# Altium PCB pokey.PcbDoc (part 1 of 4) (continued)
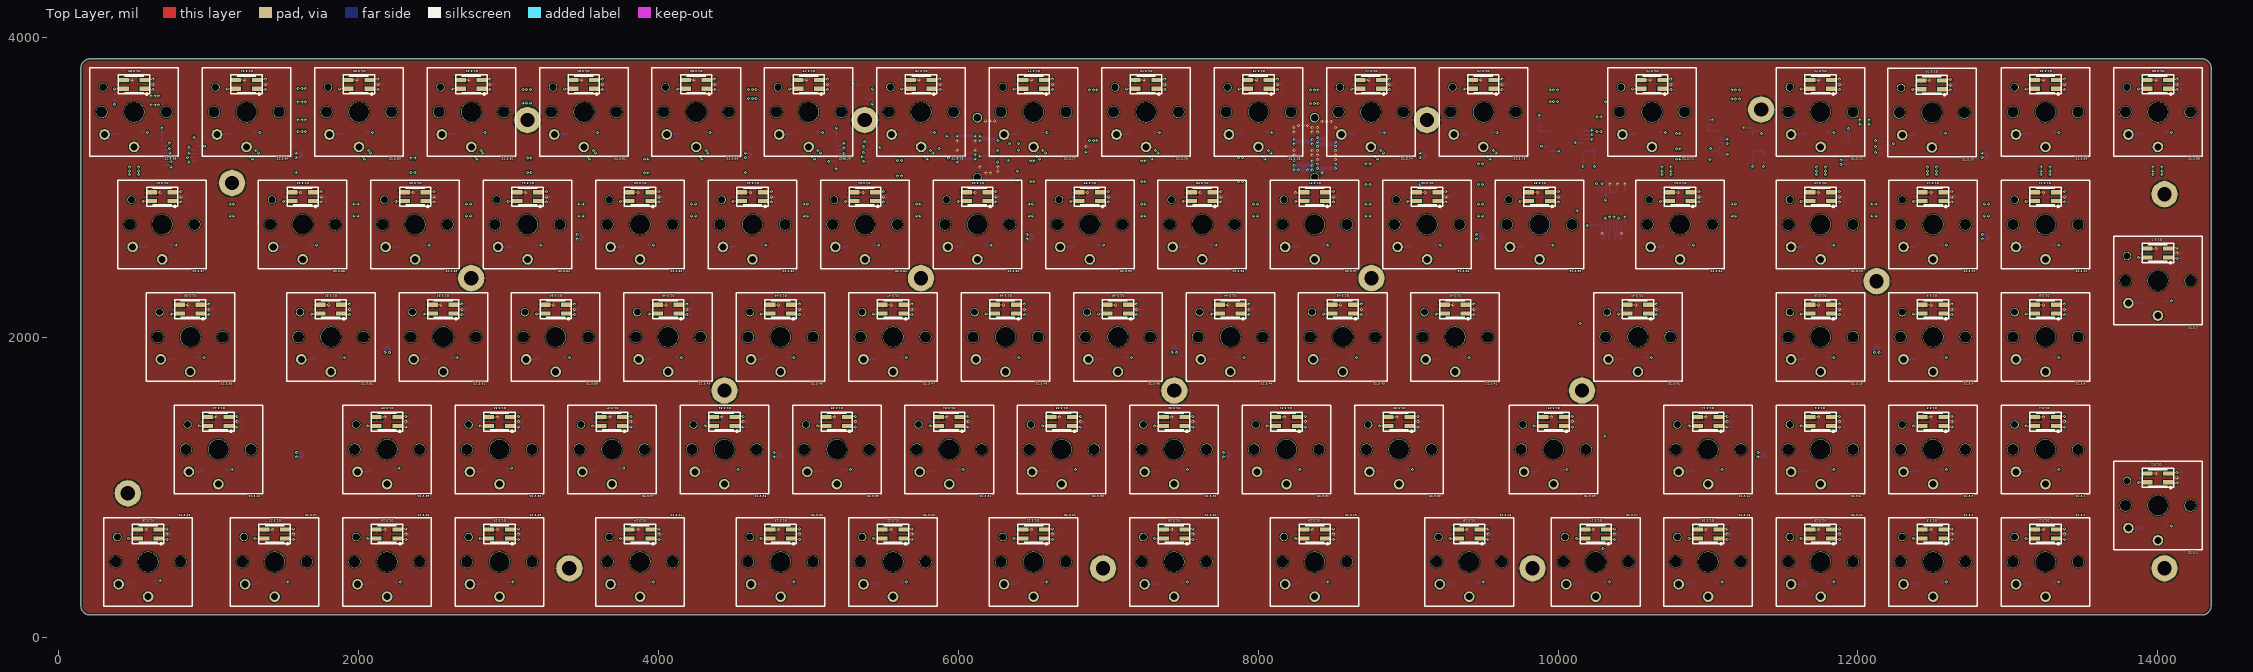
[diagram p0: Top Layer view]
## Design rules (kind name [scope] priority, off if disabled: settings) (continued)
RoomDefinition U115 [InComponentClass('U115')] p71: confinementstyle=ConfineIn formatcopy=FALSE lockcomponents=FALSE outline 11437.5,187.5 12062.5,187.5 12062.5,817.5 11437.5,817.5
RoomDefinition U114 [InComponentClass('U114')] p72: confinementstyle=ConfineIn formatcopy=TRUE lockcomponents=FALSE outline 10687.5,937.5 11312.5,937.5 11312.5,1567.5 10687.5,1567.5
RoomDefinition U113 [InComponentClass('U113')] p73: confinementstyle=ConfineIn formatcopy=TRUE lockcomponents=FALSE outline 11437.5,2437.5 12062.5,2437.5 12062.5,3067.5 11437.5,3067.5
RoomDefinition U112 [InComponentClass('U112')] p74: confinementstyle=ConfineIn formatcopy=TRUE lockcomponents=FALSE outline 12187.5,2437.5 12812.5,2437.5 12812.5,3067.5 12187.5,3067.5
RoomDefinition U111 [InComponentClass('U111')] p75: confinementstyle=ConfineIn formatcopy=TRUE lockcomponents=FALSE outline 12937.5,2437.5 13562.5,2437.5 13562.5,3067.5 12937.5,3067.5
RoomDefinition U110 [InComponentClass('U110')] p76: confinementstyle=ConfineIn formatcopy=FALSE lockcomponents=FALSE outline 11437.5,1687.5 12062.5,1687.5 12062.5,2317.5 11437.5,2317.5
RoomDefinition U19 [InComponentClass('U19')] p77: confinementstyle=ConfineIn formatcopy=FALSE lockcomponents=FALSE outline 12187.5,1687.5 12812.5,1687.5 12812.5,2317.5 12187.5,2317.5
RoomDefinition U18 [InComponentClass('U18')] p78: confinementstyle=ConfineIn formatcopy=FALSE lockcomponents=FALSE outline 12937.5,1687.5 13562.5,1687.5 13562.5,2317.5 12937.5,2317.5
RoomDefinition U17 [InComponentClass('U17')] p79: confinementstyle=ConfineIn formatcopy=FALSE lockcomponents=FALSE outline 13687.5,2062.5 14312.5,2062.5 14312.5,2692.5 13687.5,2692.5
RoomDefinition U16 [InComponentClass('U16')] p80: confinementstyle=ConfineIn formatcopy=TRUE lockcomponents=FALSE outline 11437.5,937.5 12062.5,937.5 12062.5,1567.5 11437.5,1567.5
RoomDefinition U15 [InComponentClass('U15')] p81: confinementstyle=ConfineIn formatcopy=TRUE lockcomponents=FALSE outline 12187.5,937.5 12812.5,937.5 12812.5,1567.5 12187.5,1567.5
RoomDefinition U14 [InComponentClass('U14')] p82: confinementstyle=ConfineIn formatcopy=TRUE lockcomponents=FALSE outline 12937.5,937.5 13562.5,937.5 13562.5,1567.5 12937.5,1567.5
RoomDefinition U13 [InComponentClass('U13')] p83: confinementstyle=ConfineIn formatcopy=FALSE lockcomponents=FALSE outline 12187.5,187.5 12812.5,187.5 12812.5,817.5 12187.5,817.5
RoomDefinition U12 [InComponentClass('U12')] p84: confinementstyle=ConfineIn formatcopy=FALSE lockcomponents=FALSE outline 12937.5,187.5 13562.5,187.5 13562.5,817.5 12937.5,817.5
RoomDefinition U11 [InComponentClass('U11')] p85: confinementstyle=ConfineIn formatcopy=FALSE lockcomponents=FALSE outline 13687.5,562.5 14312.5,562.5 14312.5,1192.5 13687.5,1192.5
RoutingCorners [All] p1: cornerstyle=45-Degree minsetback=10 maxsetback=200
RoutingVias [All] p1: holewidth=10 width=20 viastyle="Through Hole" minholewidth=8 minwidth=16 maxholewidth=28 maxwidth=50
SilkToSilkClearance [All] p1: silktosilkclearance=0
SilkToSolderMaskClearance SilkscreenOverComponentPads [IsPad] p1 off: minsilkscreentomaskgap=0 clearancetoexposedcopper=TRUE
SolderMaskExpansion [All] p1: expansion=4
Width [All] p1: maxlimit=150 minlimit=5 preferedwidth=10
16 further rules are at their usual default settings.

## Classes and differential pairs
net class "Not Power": COL_0 COL_1 COL_2 COL_3 COL_4 COL_5 COL_6 COL_7 COL_8 COL_9 COL_10 COL_11 COL_12 COL_13 COL_14 COL_15 COL_16 COL_17 COL_CLK COL_DIN COL_RST NetC4.2_2 NetC6.2_1 NetC7.2_2 NetC9.2_2 NetD1.3.1_2 NetD1.3.1_4 NetD1.3.2_4 NetD1.3.3_4 NetD1.3.4_2 NetD1.3.4_4 NetD1.3.5_2 NetD1.3.6_2 NetD1.3.7_4 NetD1.3.8_4 NetD1.3.9_4 NetD1.3.10_4 NetD1.3.11_2 NetD1.3.11_4 NetD1.3.12_2 NetD1.3.13_2 NetD1.3.14_2 NetD1.3.15_4 NetD1.3.16_4 NetD1.3.17_4 NetD1.3.18_4 NetD1.3.19_4 NetD1.3.20_4 NetD1.3.21_4 NetD1.3.22_4 NetD1.3.23_4 NetD1.3.24_4 NetD1.3.25_4 NetD1.3.26_4 NetD1.3.27_4 NetD1.3.28_4 NetD1.3.29_2 NetD1.3.30_2 NetD1.3.31_2 NetD1.3.32_2 NetD1.3.33_2 NetD1.3.34_2 NetD1.3.35_2 NetD1.3.36_2 NetD1.3.37_2 NetD1.3.38_2 NetD1.3.39_2 NetD1.3.41_4 NetD1.3.42_4 NetD1.3.43_4 NetD1.3.44_4 NetD1.3.45_4 NetD1.3.46_4 NetD1.3.47_4 NetD1.3.48_4 NetD1.3.49_4 NetD1.3.50_4 NetD1.3.51_4 NetD1.3.52_4 NetD1.3.53_4 NetD1.3.54_2 NetD1.3.55_2 NetD1.3.56_2 NetD1.3.57_2 NetD1.3.58_2 NetD1.3.59_2 NetD1.3.60_2 NetD1.3.61_2 NetD1.3.62_2 NetD1.3.63_2 NetD1.3.64_2 NetD1.3.65_2 NetD1.3.66_2 NetD1.3.68_4 NetD1.3.69_4 NetD1.3.70_4 NetD1.3.71_4 NetD1.3.72_4 NetD1.3.73_4 NetD1.3.74_4 NetD1.3.75_4 NetD1.3.76_4 NetD1.3.77_4 NetD1.3.78_4 NetD1.3.79_4 NetD1.3.80_4 NetD1.3.81_4 NetD1.3.82_4 NetD1.3.83_4 NetD1.3.84_4 NetD1.3.85_4 NetD2.3.1_A NetD2.3.2_A NetD2.3.3_A NetD2.3.4_A NetD2.3.5_A NetD2.3.6_A NetD2.3.7_A NetD2.3.8_A NetD2.3.9_A NetD2.3.10_A NetD2.3.11_A NetD2.3.12_A NetD2.3.13_A NetD2.3.14_A NetD2.3.15_A NetD2.3.16_A NetD2.3.17_A NetD2.3.18_A NetD2.3.19_A NetD2.3.20_A NetD2.3.21_A NetD2.3.22_A NetD2.3.23_A NetD2.3.24_A NetD2.3.25_A NetD2.3.26_A NetD2.3.27_A NetD2.3.28_A NetD2.3.29_A NetD2.3.30_A NetD2.3.31_A NetD2.3.32_A NetD2.3.33_A NetD2.3.34_A NetD2.3.35_A NetD2.3.36_A NetD2.3.37_A NetD2.3.38_A NetD2.3.39_A NetD2.3.40_A NetD2.3.41_A NetD2.3.42_A NetD2.3.43_A NetD2.3.44_A NetD2.3.45_A NetD2.3.46_A NetD2.3.47_A NetD2.3.48_A NetD2.3.49_A NetD2.3.50_A NetD2.3.51_A NetD2.3.52_A NetD2.3.53_A NetD2.3.54_A NetD2.3.55_A NetD2.3.56_A NetD2.3.57_A NetD2.3.58_A NetD2.3.59_A NetD2.3.60_A NetD2.3.61_A NetD2.3.62_A NetD2.3.63_A NetD2.3.64_A NetD2.3.65_A NetD2.3.66_A NetD2.3.67_A NetD2.3.68_A NetD2.3.69_A NetD2.3.70_A NetD2.3.71_A NetD2.3.72_A NetD2.3.73_A NetD2.3.74_A NetD2.3.75_A NetD2.3.76_A NetD2.3.77_A NetD2.3.78_A NetD2.3.79_A NetD2.3.80_A NetD2.3.81_A NetD2.3.82_A NetD2.3.83_A NetD2.3.84_A NetD2.3.85_A NetQ1.2_3 NetU1.1_24 NetU1.1_25 NetU1.1_28 NetU5.2_12 ROW_0 ROW_1 ROW_2 ROW_3 ROW_4
channel class key_reverse_led: U111 U112 U113
component class pokey: C1.1 C2.1 C3.1 C4.1 C5.1 C6.1 C7.1 C8.1 C9.1 C10.1 C11.1 C12.1 C13.1 C14.1 C15.1 U1.1
component class U185: C1.3.85 D1.3.85 D2.3.85 S1.3.85
component class U184: C1.3.84 D1.3.84 D2.3.84 S1.3.84
component class U183: C1.3.83 D1.3.83 D2.3.83 S1.3.83
component class U182: C1.3.82 D1.3.82 D2.3.82 S1.3.82
component class U181: C1.3.81 D1.3.81 D2.3.81 S1.3.81
component class U180: C1.3.80 D1.3.80 D2.3.80 S1.3.80
component class U179: C1.3.79 D1.3.79 D2.3.79 S1.3.79
component class U178: C1.3.78 D1.3.78 D2.3.78 S1.3.78
component class U177: C1.3.77 D1.3.77 D2.3.77 S1.3.77
component class U176: C1.3.76 D1.3.76 D2.3.76 S1.3.76
component class U175: C1.3.75 D1.3.75 D2.3.75 S1.3.75
component class U174: C1.3.74 D1.3.74 D2.3.74 S1.3.74
component class U173: C1.3.73 D1.3.73 D2.3.73 S1.3.73
component class U172: C1.3.72 D1.3.72 D2.3.72 S1.3.72
component class U171: C1.3.71 D1.3.71 D2.3.71 S1.3.71
component class U170: C1.3.70 D1.3.70 D2.3.70 S1.3.70
component class U169: C1.3.69 D1.3.69 D2.3.69 S1.3.69
component class U168: C1.3.68 D1.3.68 D2.3.68 S1.3.68
component class U167: C1.3.67 D1.3.67 D2.3.67 S1.3.67
component class U166: C1.3.66 D1.3.66 D2.3.66 S1.3.66
component class U165: C1.3.65 D1.3.65 D2.3.65 S1.3.65
component class U164: C1.3.64 D1.3.64 D2.3.64 S1.3.64
component class U163: C1.3.63 D1.3.63 D2.3.63 S1.3.63
component class U162: C1.3.62 D1.3.62 D2.3.62 S1.3.62
component class U161: C1.3.61 D1.3.61 D2.3.61 S1.3.61
component class U160: C1.3.60 D1.3.60 D2.3.60 S1.3.60
component class U159: C1.3.59 D1.3.59 D2.3.59 S1.3.59
component class U158: C1.3.58 D1.3.58 D2.3.58 S1.3.58
component class U157: C1.3.57 D1.3.57 D2.3.57 S1.3.57
component class U156: C1.3.56 D1.3.56 D2.3.56 S1.3.56
component class U155: C1.3.55 D1.3.55 D2.3.55 S1.3.55
component class U154: C1.3.54 D1.3.54 D2.3.54 S1.3.54
component class U153: C1.3.53 D1.3.53 D2.3.53 S1.3.53
component class U152: C1.3.52 D1.3.52 D2.3.52 S1.3.52
component class U151: C1.3.51 D1.3.51 D2.3.51 S1.3.51
component class U150: C1.3.50 D1.3.50 D2.3.50 S1.3.50
component class U149: C1.3.49 D1.3.49 D2.3.49 S1.3.49
component class U148: C1.3.48 D1.3.48 D2.3.48 S1.3.48
component class U147: C1.3.47 D1.3.47 D2.3.47 S1.3.47
component class U146: C1.3.46 D1.3.46 D2.3.46 S1.3.46
component class U145: C1.3.45 D1.3.45 D2.3.45 S1.3.45
component class U144: C1.3.44 D1.3.44 D2.3.44 S1.3.44
component class U143: C1.3.43 D1.3.43 D2.3.43 S1.3.43
component class U142: C1.3.42 D1.3.42 D2.3.42 S1.3.42
component class U141: C1.3.41 D1.3.41 D2.3.41 S1.3.41
component class U140: C1.3.40 D1.3.40 D2.3.40 S1.3.40
component class U139: C1.3.39 D1.3.39 D2.3.39 S1.3.39
component class U138: C1.3.38 D1.3.38 D2.3.38 S1.3.38
component class U137: C1.3.37 D1.3.37 D2.3.37 S1.3.37
component class U136: C1.3.36 D1.3.36 D2.3.36 S1.3.36
component class U135: C1.3.35 D1.3.35 D2.3.35 S1.3.35
component class U134: C1.3.34 D1.3.34 D2.3.34 S1.3.34
component class U133: C1.3.33 D1.3.33 D2.3.33 S1.3.33
component class U132: C1.3.32 D1.3.32 D2.3.32 S1.3.32
component class U131: C1.3.31 D1.3.31 D2.3.31 S1.3.31
component class U130: C1.3.30 D1.3.30 D2.3.30 S1.3.30
component class U129: C1.3.29 D1.3.29 D2.3.29 S1.3.29
component class U128: C1.3.28 D1.3.28 D2.3.28 S1.3.28
component class U127: C1.3.27 D1.3.27 D2.3.27 S1.3.27
component class U126: C1.3.26 D1.3.26 D2.3.26 S1.3.26
component class U125: C1.3.25 D1.3.25 D2.3.25 S1.3.25
component class U124: C1.3.24 D1.3.24 D2.3.24 S1.3.24
component class U123: C1.3.23 D1.3.23 D2.3.23 S1.3.23
component class U122: C1.3.22 D1.3.22 D2.3.22 S1.3.22
component class U121: C1.3.21 D1.3.21 D2.3.21 S1.3.21
component class U120: C1.3.20 D1.3.20 D2.3.20 S1.3.20
component class U119: C1.3.19 D1.3.19 D2.3.19 S1.3.19
component class U118: C1.3.18 D1.3.18 D2.3.18 S1.3.18
channel class key: U11 U12 U13 U14 U15 U16 U17 U18 U19 U110 U111 U112 U113 U114 U115 U116 U117 U118 U119 U120 U121 U122 U123 U124 U125 U126 U127 U128 U129 U130 U131 U132 U133 U134 U135 U136 U137 U138 U139 U140 U141 U142 U143 U144 U145 U146 U147 U148 U149 U150 U151 U152 U153 U154 U155 U156 U157 U158 U159 U160 U161 U162 U163 U164 U165 U166 U167 U168 U169 U170 U171 U172 U173 U174 U175 U176 U177 U178 U179 U180 U181 U182 U183 U184 U185
component class U_matrix: C1.2 C2.2 C3.2 C4.2 C5.2 C6.2 C7.2 C8.2 C9.2 C10.2 Q1.2 R1.2 R2.2 R3.2 R4.2 R5.2 R6.2 R7.2 R8.2 R9.2 R10.2 R11.2 R12.2 U1.2 U1.3 U2.2 U3.2 U4.2 U5.2 U6.2
component class U117: C1.3.17 D1.3.17 D2.3.17 S1.3.17
component class U116: C1.3.16 D1.3.16 D2.3.16 S1.3.16
component class U115: C1.3.15 D1.3.15 D2.3.15 S1.3.15
component class U114: C1.3.14 D1.3.14 D2.3.14 S1.3.14
component class U113: C1.3.13 D1.3.13 D2.3.13 S1.3.13
component class U112: C1.3.12 D1.3.12 D2.3.12 S1.3.12
component class U111: C1.3.11 D1.3.11 D2.3.11 S1.3.11
component class U110: C1.3.10 D1.3.10 D2.3.10 S1.3.10
component class U19: C1.3.9 D1.3.9 D2.3.9 S1.3.9
component class U18: C1.3.8 D1.3.8 D2.3.8 S1.3.8
component class U17: C1.3.7 D1.3.7 D2.3.7 S1.3.7
component class U16: C1.3.6 D1.3.6 D2.3.6 S1.3.6
component class U15: C1.3.5 D1.3.5 D2.3.5 S1.3.5
component class U14: C1.3.4 D1.3.4 D2.3.4 S1.3.4
component class U13: C1.3.3 D1.3.3 D2.3.3 S1.3.3
component class U12: C1.3.2 D1.3.2 D2.3.2 S1.3.2
component class U11: C1.3.1 D1.3.1 D2.3.1 S1.3.1

## Components (designator, comment, footprint, x,y, rotation, side; value= is the part's Value field where it differs from the comment)
C1.1 "10u" 1210 12127.07,2002.5 r0 bottom
C1.2 "100n" 0402 690.53,3362.5 r0 bottom
C1.3.1 "100n" 0402 14162.07,1030.53 r90 bottom (schematic designator C1.3)
C1.3.2 "100n" 0402 13412.07,655.53 r90 bottom (schematic designator C1.3)
C1.3.3 "100n" 0402 12662.07,655.53 r90 bottom (schematic designator C1.3)
C1.3.4 "100n" 0402 13412.07,1405.53 r90 bottom (schematic designator C1.3)
C1.3.5 "100n" 0402 12662.07,1405.53 r90 bottom (schematic designator C1.3)
C1.3.6 "100n" 0402 11912.07,1405.53 r90 bottom (schematic designator C1.3)
C1.3.7 "100n" 0402 14162.07,2530.53 r90 bottom (schematic designator C1.3)
C1.3.8 "100n" 0402 13412.07,2155.53 r90 bottom (schematic designator C1.3)
C1.3.9 "100n" 0402 12662.07,2155.53 r90 bottom (schematic designator C1.3)
C1.3.10 "100n" 0402 11912.07,2155.53 r90 bottom (schematic designator C1.3)
C1.3.11 "100n" 0402 13412.07,2905.53 r90 bottom (schematic designator C1.3)
C1.3.12 "100n" 0402 12662.07,2905.53 r90 bottom (schematic designator C1.3)
C1.3.13 "100n" 0402 11912.07,2905.53 r90 bottom (schematic designator C1.3)
C1.3.14 "100n" 0402 11162.07,1405.53 r90 bottom (schematic designator C1.3)
C1.3.15 "100n" 0402 11912.07,655.53 r90 bottom (schematic designator C1.3)
C1.3.16 "100n" 0402 11162.07,655.53 r90 bottom (schematic designator C1.3)
C1.3.17 "100n" 0402 10412.07,655.53 r90 bottom (schematic designator C1.3)
C1.3.18 "100n" 0402 9568.32,655.53 r90 bottom (schematic designator C1.3)
C1.3.19 "100n" 0402 8537.07,655.53 r90 bottom (schematic designator C1.3)
C1.3.20 "100n" 0402 7599.57,655.53 r90 bottom (schematic designator C1.3)
C1.3.21 "100n" 0402 6662.07,655.53 r90 bottom (schematic designator C1.3)
C1.3.22 "100n" 0402 5724.57,655.53 r90 bottom (schematic designator C1.3)
C1.3.23 "100n" 0402 4974.57,655.53 r90 bottom (schematic designator C1.3)
C1.3.24 "100n" 0402 4037.07,655.53 r90 bottom (schematic designator C1.3)
C1.3.25 "100n" 0402 3099.57,655.53 r90 bottom (schematic designator C1.3)
C1.3.26 "100n" 0402 2349.57,655.53 r90 bottom (schematic designator C1.3)
C1.3.27 "100n" 0402 1599.57,655.53 r90 bottom (schematic designator C1.3)
C1.3.28 "100n" 0402 755.82,655.53 r90 bottom (schematic designator C1.3)
C1.3.29 "100n" 0402 10130.82,1405.53 r90 bottom (schematic designator C1.3)
C1.3.30 "100n" 0402 9099.57,1405.53 r90 bottom (schematic designator C1.3)
C1.3.31 "100n" 0402 8349.57,1405.53 r90 bottom (schematic designator C1.3)
C1.3.32 "100n" 0402 7599.57,1405.53 r90 bottom (schematic designator C1.3)
C1.3.33 "100n" 0402 6849.57,1405.53 r90 bottom (schematic designator C1.3)
C1.3.34 "100n" 0402 6099.57,1405.53 r90 bottom (schematic designator C1.3)
C1.3.35 "100n" 0402 5349.57,1405.53 r90 bottom (schematic designator C1.3)
C1.3.36 "100n" 0402 4599.57,1405.53 r90 bottom (schematic designator C1.3)
C1.3.37 "100n" 0402 3849.57,1405.53 r90 bottom (schematic designator C1.3)
C1.3.38 "100n" 0402 3099.57,1405.53 r90 bottom (schematic designator C1.3)
C1.3.39 "100n" 0402 2349.57,1405.53 r90 bottom (schematic designator C1.3)
C1.3.40 "100n" 0402 1224.57,1405.53 r90 bottom (schematic designator C1.3)
C1.3.41 "100n" 0402 10693.32,2155.53 r90 bottom (schematic designator C1.3)
C1.3.42 "100n" 0402 9474.57,2155.53 r90 bottom (schematic designator C1.3)
C1.3.43 "100n" 0402 8724.57,2155.53 r90 bottom (schematic designator C1.3)
C1.3.44 "100n" 0402 7974.57,2155.53 r90 bottom (schematic designator C1.3)
C1.3.45 "100n" 0402 7224.57,2155.53 r90 bottom (schematic designator C1.3)
C1.3.46 "100n" 0402 6474.57,2155.53 r90 bottom (schematic designator C1.3)
C1.3.47 "100n" 0402 5724.57,2155.53 r90 bottom (schematic designator C1.3)
C1.3.48 "100n" 0402 4974.57,2155.53 r90 bottom (schematic designator C1.3)
C1.3.49 "100n" 0402 4224.57,2155.53 r90 bottom (schematic designator C1.3)
C1.3.50 "100n" 0402 3474.57,2155.53 r90 bottom (schematic designator C1.3)
C1.3.51 "100n" 0402 2724.57,2155.53 r90 bottom (schematic designator C1.3)
C1.3.52 "100n" 0402 1974.57,2155.53 r90 bottom (schematic designator C1.3)
C1.3.53 "100n" 0402 1037.07,2155.53 r90 bottom (schematic designator C1.3)
C1.3.54 "100n" 0402 10974.57,2905.53 r90 bottom (schematic designator C1.3)
C1.3.55 "100n" 0402 10037.07,2905.53 r90 bottom (schematic designator C1.3)
C1.3.56 "100n" 0402 9287.07,2905.53 r90 bottom (schematic designator C1.3)
C1.3.57 "100n" 0402 8537.07,2905.53 r90 bottom (schematic designator C1.3)
C1.3.58 "100n" 0402 7787.07,2905.53 r90 bottom (schematic designator C1.3)
C1.3.59 "100n" 0402 7037.07,2905.53 r90 bottom (schematic designator C1.3)
C1.3.60 "100n" 0402 6287.07,2905.53 r90 bottom (schematic designator C1.3)
C1.3.61 "100n" 0402 5537.07,2905.53 r90 bottom (schematic designator C1.3)
C1.3.62 "100n" 0402 4787.07,2905.53 r90 bottom (schematic designator C1.3)
C1.3.63 "100n" 0402 4037.07,2905.53 r90 bottom (schematic designator C1.3)
C1.3.64 "100n" 0402 3287.07,2905.53 r90 bottom (schematic designator C1.3)
C1.3.65 "100n" 0402 2537.07,2905.53 r90 bottom (schematic designator C1.3)
C1.3.66 "100n" 0402 1787.07,2905.53 r90 bottom (schematic designator C1.3)
C1.3.67 "100n" 0402 849.57,2905.53 r90 bottom (schematic designator C1.3)
C1.3.68 "100n" 0402 14162.07,3655.53 r90 bottom (schematic designator C1.3)
C1.3.69 "100n" 0402 13412.07,3655.53 r90 bottom (schematic designator C1.3)
C1.3.70 "100n" 0402 12653.86,3651.71 r90 bottom (schematic designator C1.3)
C1.3.71 "100n" 0402 11912.07,3655.53 r90 bottom (schematic designator C1.3)
C1.3.72 "100n" 0402 10787.07,3655.53 r90 bottom (schematic designator C1.3)
C1.3.73 "100n" 0402 9662.07,3655.53 r90 bottom (schematic designator C1.3)
C1.3.74 "100n" 0402 8912.07,3655.53 r90 bottom (schematic designator C1.3)
C1.3.75 "100n" 0402 8162.07,3655.53 r90 bottom (schematic designator C1.3)
C1.3.76 "100n" 0402 6887.07,3240.53 r90 bottom (schematic designator C1.3)
C1.3.77 "100n" 0402 6662.07,3655.53 r90 bottom (schematic designator C1.3)
C1.3.78 "100n" 0402 5912.07,3655.53 r90 bottom (schematic designator C1.3)
C1.3.79 "100n" 0402 5162.07,3655.53 r90 bottom (schematic designator C1.3)
C1.3.80 "100n" 0402 4412.07,3655.53 r90 bottom (schematic designator C1.3)
C1.3.81 "100n" 0402 3662.07,3655.53 r90 bottom (schematic designator C1.3)
C1.3.82 "100n" 0402 2912.07,3655.53 r90 bottom (schematic designator C1.3)
C1.3.83 "100n" 0402 2162.07,3655.53 r90 bottom (schematic designator C1.3)
C1.3.84 "100n" 0402 1412.07,3655.53 r90 bottom (schematic designator C1.3)
C1.3.85 "100n" 0402 662.07,3655.53 r90 bottom (schematic designator C1.3)
C2.1 "10u" 1210 2190,2002.5 r0 bottom
C2.2 "100n" 0402 5185.53,3362.5 r0 bottom
C3.1 "10u" 1210 7440,2002.5 r0 bottom
C3.2 "100n" 0402 11937.07,3362.5 r0 bottom
C4.1 "4.7uF" 1608[0603] 7815,1249.04 r270 bottom
C4.2 "47p" 0402 11371.7,3281.76 r270 bottom
C5.1 "4.7uF" 1608[0603] 9502.5,2702.5 r270 bottom
C5.2 "100n" 0402 11298.67,3174.79 r180 bottom
C6.1 "4.7uF" 1608[0603] 11377.07,1249.04 r270 bottom
C6.2 "100n" 0402 11001.7,3374.79 r270 bottom
C7.1 "4.7uF" 1608[0603] 12877.07,2702.5 r270 bottom
C7.2 "150p" 0402 10242.13,3279.79 r270 bottom
C8.1 "4.7uF" 1608[0603] 1630,1249.04 r270 bottom
C8.2 "100n" 0402 10169.09,3174.79 r180 bottom
C9.1 "4.7uF" 1608[0603] 3502.5,2702.5 r270 bottom
C9.2 "47p" 0402 9872.13,3342.82 r90 bottom
C10.1 "4.7uF" 1608[0603] 4815,1249.04 r270 bottom
C10.2 "100n" 0402 10222.5,2747.5 r90 bottom
C11.1 "4.7uF" 1608[0603] 6502.5,2702.5 r270 bottom
C12.1 "4.7uF" 1608[0603] 1625,3247.5 r270 bottom
C13.1 "4.7uF" 1608[0603] 4625,3247.5 r270 bottom
C14.1 "4.7uF" 1608[0603] 9122.5,3247.5 r270 bottom
C15.1 "4.7uF" 1608[0603] 12872.07,3247.5 r270 bottom
D1.3.1 "Addressable RGB LED" BL-HRGB32M-TRB 14001.41,1063.41 r180 top (schematic designator D1.3)
D1.3.2 "Addressable RGB LED" BL-HRGB32M-TRB 13251.41,688.41 r180 top (schematic designator D1.3)
D1.3.3 "Addressable RGB LED" BL-HRGB32M-TRB 12501.41,688.41 r180 top (schematic designator D1.3)
D1.3.4 "Addressable RGB LED" BL-HRGB32M-TRB 13251.41,1438.41 r180 top (schematic designator D1.3)
D1.3.5 "Addressable RGB LED" BL-HRGB32M-TRB 12501.41,1438.41 r180 top (schematic designator D1.3)
D1.3.6 "Addressable RGB LED" BL-HRGB32M-TRB 11751.41,1438.41 r180 top (schematic designator D1.3)
D1.3.7 "Addressable RGB LED" BL-HRGB32M-TRB 14001.41,2563.41 r180 top (schematic designator D1.3)
D1.3.8 "Addressable RGB LED" BL-HRGB32M-TRB 13251.41,2188.41 r180 top (schematic designator D1.3)
D1.3.9 "Addressable RGB LED" BL-HRGB32M-TRB 12501.41,2188.41 r180 top (schematic designator D1.3)
D1.3.10 "Addressable RGB LED" BL-HRGB32M-TRB 11751.41,2188.41 r180 top (schematic designator D1.3)
D1.3.11 "Addressable RGB LED" BL-HRGB32M-TRB 13251.41,2938.41 r180 top (schematic designator D1.3)
D1.3.12 "Addressable RGB LED" BL-HRGB32M-TRB 12501.41,2938.41 r180 top (schematic designator D1.3)
D1.3.13 "Addressable RGB LED" BL-HRGB32M-TRB 11751.41,2938.41 r180 top (schematic designator D1.3)
D1.3.14 "Addressable RGB LED" BL-HRGB32M-TRB 11001.41,1438.41 r180 top (schematic designator D1.3)
D1.3.15 "Addressable RGB LED" BL-HRGB32M-TRB 11751.41,688.41 r180 top (schematic designator D1.3)
D1.3.16 "Addressable RGB LED" BL-HRGB32M-TRB 11001.41,688.41 r180 top (schematic designator D1.3)
D1.3.17 "Addressable RGB LED" BL-HRGB32M-TRB 10251.41,688.41 r180 top (schematic designator D1.3)
D1.3.18 "Addressable RGB LED" BL-HRGB32M-TRB 9407.66,688.41 r180 top (schematic designator D1.3)
D1.3.19 "Addressable RGB LED" BL-HRGB32M-TRB 8376.41,688.41 r180 top (schematic designator D1.3)
D1.3.20 "Addressable RGB LED" BL-HRGB32M-TRB 7438.91,688.41 r180 top (schematic designator D1.3)
D1.3.21 "Addressable RGB LED" BL-HRGB32M-TRB 6501.41,688.41 r180 top (schematic designator D1.3)
D1.3.22 "Addressable RGB LED" BL-HRGB32M-TRB 5563.91,688.41 r180 top (schematic designator D1.3)
D1.3.23 "Addressable RGB LED" BL-HRGB32M-TRB 4813.91,688.41 r180 top (schematic designator D1.3)
D1.3.24 "Addressable RGB LED" BL-HRGB32M-TRB 3876.41,688.41 r180 top (schematic designator D1.3)
D1.3.25 "Addressable RGB LED" BL-HRGB32M-TRB 2938.91,688.41 r180 top (schematic designator D1.3)
D1.3.26 "Addressable RGB LED" BL-HRGB32M-TRB 2188.91,688.41 r180 top (schematic designator D1.3)
D1.3.27 "Addressable RGB LED" BL-HRGB32M-TRB 1438.91,688.41 r180 top (schematic designator D1.3)
D1.3.28 "Addressable RGB LED" BL-HRGB32M-TRB 595.16,688.41 r180 top (schematic designator D1.3)
D1.3.29 "Addressable RGB LED" BL-HRGB32M-TRB 9970.16,1438.41 r180 top (schematic designator D1.3)
D1.3.30 "Addressable RGB LED" BL-HRGB32M-TRB 8938.91,1438.41 r180 top (schematic designator D1.3)
D1.3.31 "Addressable RGB LED" BL-HRGB32M-TRB 8188.91,1438.41 r180 top (schematic designator D1.3)
D1.3.32 "Addressable RGB LED" BL-HRGB32M-TRB 7438.91,1438.41 r180 top (schematic designator D1.3)
D1.3.33 "Addressable RGB LED" BL-HRGB32M-TRB 6688.91,1438.41 r180 top (schematic designator D1.3)
D1.3.34 "Addressable RGB LED" BL-HRGB32M-TRB 5938.91,1438.41 r180 top (schematic designator D1.3)
D1.3.35 "Addressable RGB LED" BL-HRGB32M-TRB 5188.91,1438.41 r180 top (schematic designator D1.3)
D1.3.36 "Addressable RGB LED" BL-HRGB32M-TRB 4438.91,1438.41 r180 top (schematic designator D1.3)
D1.3.37 "Addressable RGB LED" BL-HRGB32M-TRB 3688.91,1438.41 r180 top (schematic designator D1.3)
D1.3.38 "Addressable RGB LED" BL-HRGB32M-TRB 2938.91,1438.41 r180 top (schematic designator D1.3)
D1.3.39 "Addressable RGB LED" BL-HRGB32M-TRB 2188.91,1438.41 r180 top (schematic designator D1.3)
D1.3.40 "Addressable RGB LED" BL-HRGB32M-TRB 1063.91,1438.41 r180 top (schematic designator D1.3)
D1.3.41 "Addressable RGB LED" BL-HRGB32M-TRB 10532.66,2188.41 r180 top (schematic designator D1.3)
D1.3.42 "Addressable RGB LED" BL-HRGB32M-TRB 9313.91,2188.41 r180 top (schematic designator D1.3)
D1.3.43 "Addressable RGB LED" BL-HRGB32M-TRB 8563.91,2188.41 r180 top (schematic designator D1.3)
D1.3.44 "Addressable RGB LED" BL-HRGB32M-TRB 7813.91,2188.41 r180 top (schematic designator D1.3)
D1.3.45 "Addressable RGB LED" BL-HRGB32M-TRB 7063.91,2188.41 r180 top (schematic designator D1.3)
D1.3.46 "Addressable RGB LED" BL-HRGB32M-TRB 6313.91,2188.41 r180 top (schematic designator D1.3)
D1.3.47 "Addressable RGB LED" BL-HRGB32M-TRB 5563.91,2188.41 r180 top (schematic designator D1.3)
D1.3.48 "Addressable RGB LED" BL-HRGB32M-TRB 4813.91,2188.41 r180 top (schematic designator D1.3)
D1.3.49 "Addressable RGB LED" BL-HRGB32M-TRB 4063.91,2188.41 r180 top (schematic designator D1.3)
D1.3.50 "Addressable RGB LED" BL-HRGB32M-TRB 3313.91,2188.41 r180 top (schematic designator D1.3)
D1.3.51 "Addressable RGB LED" BL-HRGB32M-TRB 2563.91,2188.41 r180 top (schematic designator D1.3)
D1.3.52 "Addressable RGB LED" BL-HRGB32M-TRB 1813.91,2188.41 r180 top (schematic designator D1.3)
D1.3.53 "Addressable RGB LED" BL-HRGB32M-TRB 876.41,2188.41 r180 top (schematic designator D1.3)
D1.3.54 "Addressable RGB LED" BL-HRGB32M-TRB 10813.91,2938.41 r180 top (schematic designator D1.3)
D1.3.55 "Addressable RGB LED" BL-HRGB32M-TRB 9876.41,2938.41 r180 top (schematic designator D1.3)
D1.3.56 "Addressable RGB LED" BL-HRGB32M-TRB 9126.41,2938.41 r180 top (schematic designator D1.3)
D1.3.57 "Addressable RGB LED" BL-HRGB32M-TRB 8376.41,2938.41 r180 top (schematic designator D1.3)
D1.3.58 "Addressable RGB LED" BL-HRGB32M-TRB 7626.41,2938.41 r180 top (schematic designator D1.3)
D1.3.59 "Addressable RGB LED" BL-HRGB32M-TRB 6876.41,2938.41 r180 top (schematic designator D1.3)
D1.3.60 "Addressable RGB LED" BL-HRGB32M-TRB 6126.41,2938.41 r180 top (schematic designator D1.3)
D1.3.61 "Addressable RGB LED" BL-HRGB32M-TRB 5376.41,2938.41 r180 top (schematic designator D1.3)
D1.3.62 "Addressable RGB LED" BL-HRGB32M-TRB 4626.41,2938.41 r180 top (schematic designator D1.3)
D1.3.63 "Addressable RGB LED" BL-HRGB32M-TRB 3876.41,2938.41 r180 top (schematic designator D1.3)
D1.3.64 "Addressable RGB LED" BL-HRGB32M-TRB 3126.41,2938.41 r180 top (schematic designator D1.3)
D1.3.65 "Addressable RGB LED" BL-HRGB32M-TRB 2376.41,2938.41 r180 top (schematic designator D1.3)
D1.3.66 "Addressable RGB LED" BL-HRGB32M-TRB 1626.41,2938.41 r180 top (schematic designator D1.3)
D1.3.67 "Addressable RGB LED" BL-HRGB32M-TRB 688.91,2938.41 r180 top (schematic designator D1.3)
D1.3.68 "Addressable RGB LED" BL-HRGB32M-TRB 14001.41,3688.41 r180 top (schematic designator D1.3)
D1.3.69 "Addressable RGB LED" BL-HRGB32M-TRB 13251.41,3688.41 r180 top (schematic designator D1.3)
D1.3.70 "Addressable RGB LED" BL-HRGB32M-TRB 12493.2,3684.59 r180 top (schematic designator D1.3)
D1.3.71 "Addressable RGB LED" BL-HRGB32M-TRB 11751.41,3688.41 r180 top (schematic designator D1.3)
D1.3.72 "Addressable RGB LED" BL-HRGB32M-TRB 10626.41,3688.41 r180 top (schematic designator D1.3)
D1.3.73 "Addressable RGB LED" BL-HRGB32M-TRB 9501.41,3688.41 r180 top (schematic designator D1.3)
D1.3.74 "Addressable RGB LED" BL-HRGB32M-TRB 8751.41,3688.41 r180 top (schematic designator D1.3)
D1.3.75 "Addressable RGB LED" BL-HRGB32M-TRB 8001.41,3688.41 r180 top (schematic designator D1.3)
D1.3.76 "Addressable RGB LED" BL-HRGB32M-TRB 7251.41,3688.41 r180 top (schematic designator D1.3)
D1.3.77 "Addressable RGB LED" BL-HRGB32M-TRB 6501.41,3688.41 r180 top (schematic designator D1.3)
D1.3.78 "Addressable RGB LED" BL-HRGB32M-TRB 5751.41,3688.41 r180 top (schematic designator D1.3)
D1.3.79 "Addressable RGB LED" BL-HRGB32M-TRB 5001.41,3688.41 r180 top (schematic designator D1.3)
D1.3.80 "Addressable RGB LED" BL-HRGB32M-TRB 4251.41,3688.41 r180 top (schematic designator D1.3)
D1.3.81 "Addressable RGB LED" BL-HRGB32M-TRB 3501.41,3688.41 r180 top (schematic designator D1.3)
D1.3.82 "Addressable RGB LED" BL-HRGB32M-TRB 2751.41,3688.41 r180 top (schematic designator D1.3)
D1.3.83 "Addressable RGB LED" BL-HRGB32M-TRB 2001.41,3688.41 r180 top (schematic designator D1.3)
D1.3.84 "Addressable RGB LED" BL-HRGB32M-TRB 1251.41,3688.41 r180 top (schematic designator D1.3)
D1.3.85 "Addressable RGB LED" BL-HRGB32M-TRB 501.41,3688.41 r180 top (schematic designator D1.3)
D2.3.1 "" SOD-80 13972.07,742.5 r180 bottom (schematic designator D2.3)
D2.3.2 "" SOD-80 13222.07,367.5 r180 bottom (schematic designator D2.3)
D2.3.3 "" SOD-80 12472.07,367.5 r180 bottom (schematic designator D2.3)
D2.3.4 "" SOD-80 13222.07,1117.5 r180 bottom (schematic designator D2.3)
D2.3.5 "" SOD-80 12472.07,1117.5 r180 bottom (schematic designator D2.3)
D2.3.6 "" SOD-80 11722.07,1117.5 r180 bottom (schematic designator D2.3)
D2.3.7 "" SOD-80 13972.07,2242.5 r180 bottom (schematic designator D2.3)
D2.3.8 "" SOD-80 13222.07,1867.5 r180 bottom (schematic designator D2.3)
D2.3.9 "" SOD-80 12472.07,1867.5 r180 bottom (schematic designator D2.3)
D2.3.10 "" SOD-80 11722.07,1867.5 r180 bottom (schematic designator D2.3)
D2.3.11 "" SOD-80 13222.07,2617.5 r180 bottom (schematic designator D2.3)
D2.3.12 "" SOD-80 12472.07,2617.5 r180 bottom (schematic designator D2.3)
D2.3.13 "" SOD-80 11722.07,2617.5 r180 bottom (schematic designator D2.3)
D2.3.14 "" SOD-80 10972.07,1117.5 r180 bottom (schematic designator D2.3)
D2.3.15 "" SOD-80 11722.07,367.5 r180 bottom (schematic designator D2.3)
D2.3.16 "" SOD-80 10972.07,367.5 r180 bottom (schematic designator D2.3)
D2.3.17 "" SOD-80 10222.07,367.5 r180 bottom (schematic designator D2.3)
D2.3.18 "" SOD-80 9378.32,367.5 r180 bottom (schematic designator D2.3)
D2.3.19 "" SOD-80 8347.07,367.5 r180 bottom (schematic designator D2.3)
D2.3.20 "" SOD-80 7409.57,367.5 r180 bottom (schematic designator D2.3)
D2.3.21 "" SOD-80 6472.07,367.5 r180 bottom (schematic designator D2.3)
D2.3.22 "" SOD-80 5534.57,367.5 r180 bottom (schematic designator D2.3)
D2.3.23 "" SOD-80 4784.57,367.5 r180 bottom (schematic designator D2.3)
D2.3.24 "" SOD-80 3847.07,367.5 r180 bottom (schematic designator D2.3)
D2.3.25 "" SOD-80 2909.57,367.5 r180 bottom (schematic designator D2.3)
D2.3.26 "" SOD-80 2159.57,367.5 r180 bottom (schematic designator D2.3)
D2.3.27 "" SOD-80 1409.57,367.5 r180 bottom (schematic designator D2.3)
D2.3.28 "" SOD-80 565.82,367.5 r180 bottom (schematic designator D2.3)
D2.3.29 "" SOD-80 9940.82,1117.5 r180 bottom (schematic designator D2.3)
D2.3.30 "" SOD-80 8909.57,1117.5 r180 bottom (schematic designator D2.3)
D2.3.31 "" SOD-80 8159.57,1117.5 r180 bottom (schematic designator D2.3)
D2.3.32 "" SOD-80 7409.57,1117.5 r180 bottom (schematic designator D2.3)
D2.3.33 "" SOD-80 6659.57,1117.5 r180 bottom (schematic designator D2.3)
D2.3.34 "" SOD-80 5909.57,1117.5 r180 bottom (schematic designator D2.3)
D2.3.35 "" SOD-80 5159.57,1117.5 r180 bottom (schematic designator D2.3)
D2.3.36 "" SOD-80 4409.57,1117.5 r180 bottom (schematic designator D2.3)
D2.3.37 "" SOD-80 3659.57,1117.5 r180 bottom (schematic designator D2.3)
D2.3.38 "" SOD-80 2909.57,1117.5 r180 bottom (schematic designator D2.3)
D2.3.39 "" SOD-80 2159.57,1117.5 r180 bottom (schematic designator D2.3)
D2.3.40 "" SOD-80 1034.57,1117.5 r180 bottom (schematic designator D2.3)
D2.3.41 "" SOD-80 10503.32,1867.5 r180 bottom (schematic designator D2.3)
D2.3.42 "" SOD-80 9284.57,1867.5 r180 bottom (schematic designator D2.3)
D2.3.43 "" SOD-80 8534.57,1867.5 r180 bottom (schematic designator D2.3)
D2.3.44 "" SOD-80 7784.57,1867.5 r180 bottom (schematic designator D2.3)
D2.3.45 "" SOD-80 7034.57,1867.5 r180 bottom (schematic designator D2.3)
D2.3.46 "" SOD-80 6284.57,1867.5 r180 bottom (schematic designator D2.3)
D2.3.47 "" SOD-80 5534.57,1867.5 r180 bottom (schematic designator D2.3)
D2.3.48 "" SOD-80 4784.57,1867.5 r180 bottom (schematic designator D2.3)
D2.3.49 "" SOD-80 4034.57,1867.5 r180 bottom (schematic designator D2.3)
D2.3.50 "" SOD-80 3284.57,1867.5 r180 bottom (schematic designator D2.3)
D2.3.51 "" SOD-80 2534.57,1867.5 r180 bottom (schematic designator D2.3)
D2.3.52 "" SOD-80 1784.57,1867.5 r180 bottom (schematic designator D2.3)
D2.3.53 "" SOD-80 847.07,1867.5 r180 bottom (schematic designator D2.3)
D2.3.54 "" SOD-80 10784.57,2617.5 r180 bottom (schematic designator D2.3)
D2.3.55 "" SOD-80 9847.07,2617.5 r180 bottom (schematic designator D2.3)
D2.3.56 "" SOD-80 9097.07,2617.5 r180 bottom (schematic designator D2.3)
D2.3.57 "" SOD-80 8347.07,2617.5 r180 bottom (schematic designator D2.3)
D2.3.58 "" SOD-80 7597.07,2617.5 r180 bottom (schematic designator D2.3)